# Altium PCB MB1635.PcbDoc (part 8 of 10)
Units mm, origin at the board's own origin, x right, y up, seen from the top; angles counter-clockwise.
Board outline 127 x 97 mm, 6 copper layers (Top Layer, Signal Layer 1, Signal Layer 2, Signal Layer 3, Signal Layer 4, Bottom Layer), stack 1.557 mm thick; 593 components, 478 nets, 2435 pads, 1743 vias.
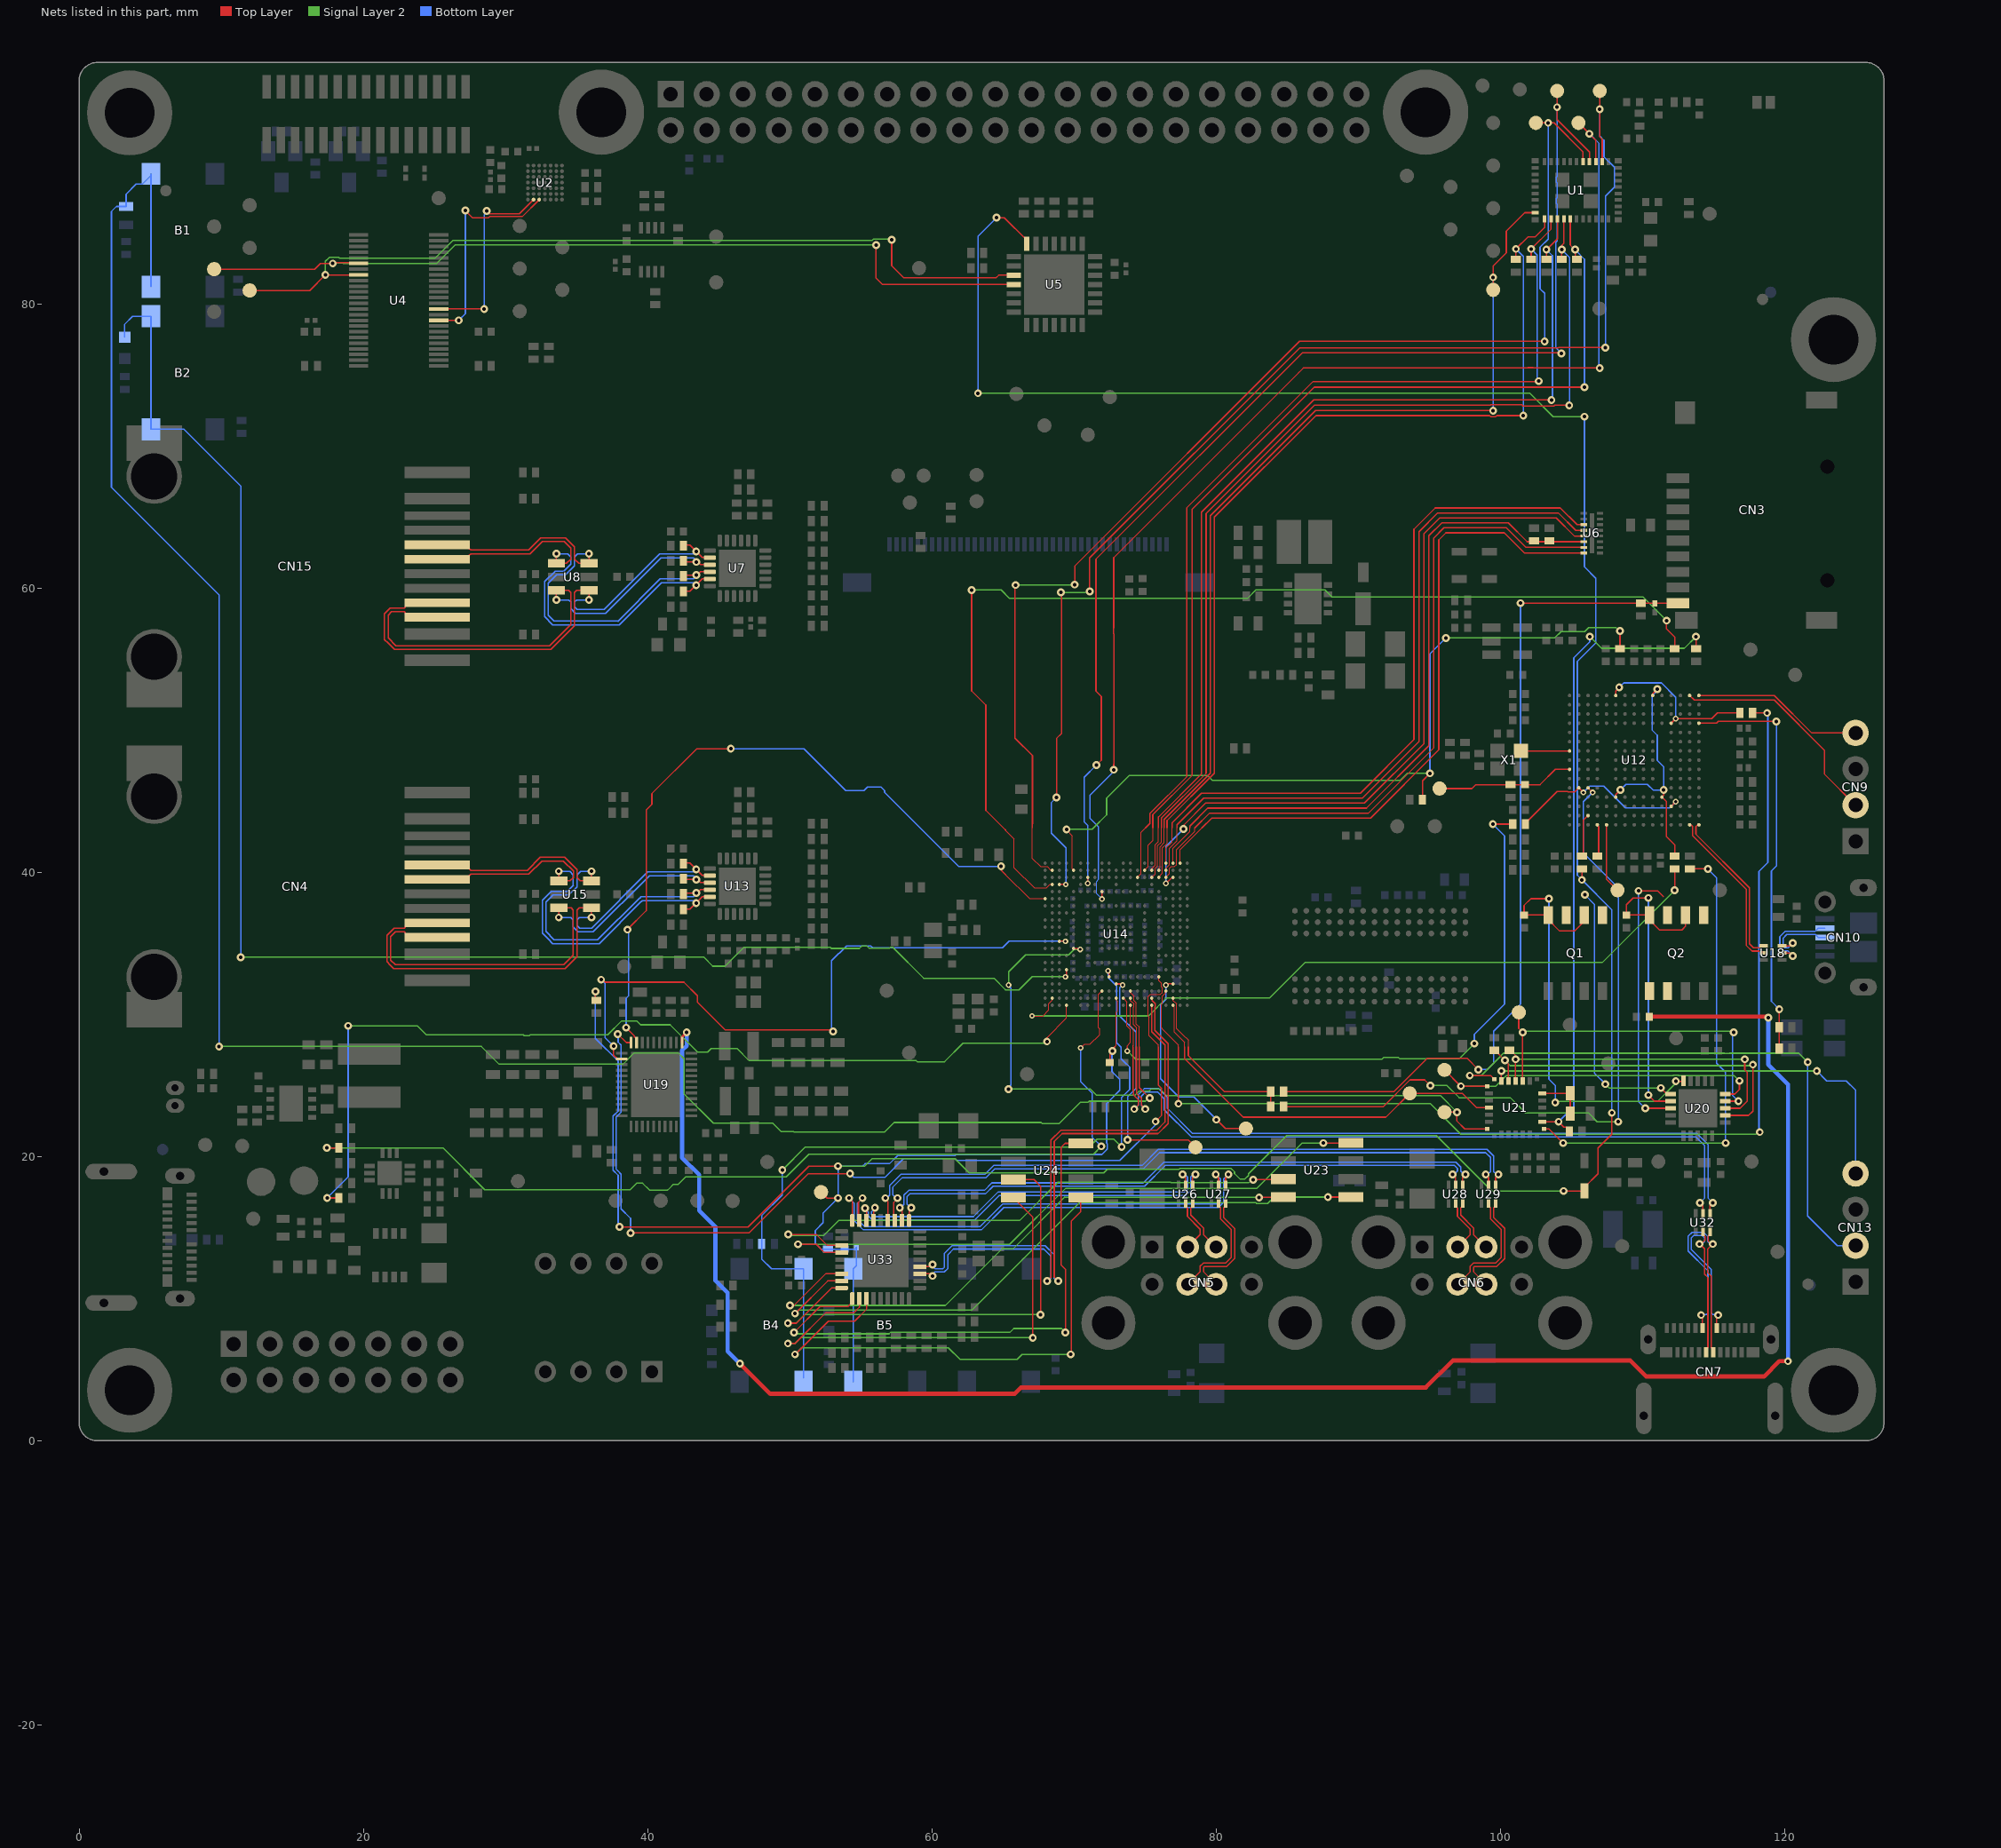
[diagram p12: the nets of this part, all layers, seen from the top]

## Via types
v1: diameter 0.55, hole 0.25, Top Layer to Bottom Layer, 1438 vias
v2: diameter 0.4, hole 0.2, Top Layer to Bottom Layer, 276 vias
v3: diameter 0.26, hole 0.1, Top Layer to Signal Layer 1, tented both sides, 29 vias

## Nets (pads, with @x,y where several pads share a name; then routed paths per layer and width w, separated by ;. In a path a pad name is that pad's centre, name@x,y a point inside that pad or via, vN(x,y) a via of type N, cw(c..) or ccw(c..) an arc to the next point about the centre after c; other vN are vias at no path point) (continued)
NetU2_E7: U2.E7 U4.33 | length 15.3
  Top Layer w0.1: U4.33@25.3,78.85 v1(26.7,78.85) ; v1(27.175,86.575) 27.675,86.075 28.801,86.075 28.876,86.15 31.175,86.15 U2.E7@32.375,87.35
  Bottom Layer w0.1: v1(26.7,78.85) 27.175,79.325 v1(27.175,86.575)
NetU2_F7: U2.F7 U4.35 | length 14
  Top Layer w0.1: U4.35@25.3,79.65 25.304,79.654 v1(28.501,79.654) ; v1(28.675,86.55) 28.875,86.35 30.975,86.35 U2.F7@31.975,87.35
  Bottom Layer w0.1: v1(28.501,79.654) 28.501,85.876 28.501,86.266 28.675,86.44 v1(28.675,86.55)
NetU12_G1: U12.G1 X1.3 | length 3.4
  Top Layer w0.1: X1.3@101.45,48.55 U12.G1@104.875,48.55
notOC1: U23.8 U33.13 | length 45.2
  Top Layer w0.1: v1(50.575,13.825) 51.875,13.825 52.45,13.25 U33.13@53.65,13.25 ; v1(87.55,20.95) 89.47,20.95 U23.8@89.475,20.955
  Signal Layer 2 w0.1: v1(50.575,13.825) 65.475,13.825 69.4,17.75 82.85,17.75 86.05,20.95 v1(87.55,20.95)
notOC2: U23.5 U33.17 | length 46.8
  Top Layer w0.1: v1(50.375,8.95) 52.675,11.25 U33.17@53.65,11.25 ; v1(87.875,17.15) 89.47,17.15 U23.5@89.475,17.145
  Signal Layer 2 w0.1: v1(50.375,8.95) 50.625,9.2 62.825,9.2 70.375,16.75 82.804,16.75 82.853,16.701 83.626,16.701 84.075,17.15 v1(87.875,17.15)
notOC3: U24.8 U33.19 | length 39.3
  Top Layer w0.1: v1(50.3,7.625) 52.125,9.45 54.1,9.45 54.4,9.75 U33.19@54.4,10 ; v1(69.4,7.625) 69.4,12.075 69.1,12.375 69.1,20.65 69.38,20.93 U24.8@70.475,20.93
  Signal Layer 2 w0.1: v1(50.3,7.625) 50.386,7.539 50.57,7.539 50.584,7.525 56.987,7.525 57.087,7.625 65.492,7.625 65.767,7.9 69.125,7.9 v1(69.4,7.625)
notOC4: U24.5 U33.21 | length 38.5
  Top Layer w0.1: v1(50.375,6.075) 52.725,8.425 54.575,8.425 55.4,9.25 U33.21@55.4,10 ; v1(69.775,6.075) 69.825,6.125 69.825,15.475 70.475,16.125 U24.5@70.475,17.12
  Signal Layer 2 w0.1: v1(50.375,6.075) 50.85,6.55 61.166,6.55 61.991,5.725 65.997,5.725 66.347,6.075 v1(69.775,6.075)
NRST: B5.1 B5.2 C118.1 C223.2 D4.2 R88.2 R114.1 R180.1 TP29.1 U5.14 U14.Y11 U37.1 | length 261.7
  Top Layer w0.075: 72.875,27.725 72.982,27.832 72.982,30.151 73.059,30.229 73.059,30.923 72.999,30.983 72.999,31.126 U14.Y11@72.975,31.15
  Top Layer w0.1: v1(36.325,31.625) 36.325,31.075 R114.1@36.4,31 ; v1(38.025,15.05) 47.075,15.05 51.35,19.325 v1(53.4,19.325) ; TP29.1@52.2,17.5 52.625,17.075 v1(53.4,17.075) ; v1(64.55,86.075) 65.1,86.075 66.675,84.5 U5.14@66.675,84.225 ; C118.1@72.525,26.625 72.525,27.325 72.626,27.426 v1(72.703,27.426) ; v1@72.675,27.525 72.875,27.725 ; v1(104.45,17.575) 105.92,17.575 105.92,17.845 106.875,18.8 106.875,20.6 107.85,21.575 v1(107.85,23.075) ; v1(105.75,39.475) R88.2@105.75,40.25
  Signal Layer 2 w0.1: v1(53.4,19.325) 55.275,19.325 55.8,19.85 61.625,19.85 62.625,18.85 72.1,18.85 72.35,19.1 77.399,19.1 77.474,19.175 81.051,19.175 81.3,18.926 81.3,18.804 81.678,18.426 82.03,18.426 82.279,18.675 82.279,18.784 84.97,21.475 95.5,21.475 99.4,17.575 v1(104.45,17.575) ; v1(63.25,73.725) 102.075,73.725 103.725,72.075 v1(105.925,72.075)
  Bottom Layer w0.1: v1(36.325,31.625) 36.325,28.325 37.925,26.725 37.925,23.2 ; 37.925,23.75 37.925,23.2 ; v1(38.025,15.05) 37.939,15.136 37.939,15.32 37.925,15.334 37.925,18.685 37.575,19.035 37.575,22.85 37.925,23.2 ; B5.2@54.475,4.15 B5.1@54.475,12.1 54.692,12.317 U37.1@54.692,13.602 ; U37.1@54.692,13.625 U37.1@54.692,13.602 ; v1(63.25,73.725) 63.25,84.775 v1(64.55,86.075) ; v1@72.675,27.525 72.675,25.975 73.225,25.425 73.225,24.658 72.3,23.733 72.3,20.951 72.35,20.901 72.35,20.549 72.3,20.499 72.3,20.475 71.975,20.15 61.725,20.15 61.65,20.075 57.6,20.075 57.025,19.5 55.3,19.5 55.125,19.325 v1(53.4,19.325) v1(53.4,17.075) 52.349,16.024 52.349,15.349 51.8,14.8 51.8,13.9 52.213,13.487 R180.1@52.692,13.487 C223.2@53.867,13.487 54.577,13.487 U37.1@54.692,13.602 ; v1(105.925,72.075) 105.925,61.5 106.725,60.7 106.725,56.15 105.422,54.847 105.422,39.803 v1(105.75,39.475) 107.85,37.375 v1(107.85,23.075)
PA13: B2.1 B2.2 LD4.2 U14.T4 | length 113.2
  Top Layer w0.09: v2@69.475,32.725 U14.T4@69.475,33.15
  Signal Layer 2 w0.09: 65.175,31.75 65.2,31.725 66.125,31.725 67.05,32.65 v2(69.4,32.65)
  Signal Layer 2 w0.1: v1(11.375,34.025) 11.4,34.05 43.934,34.05 44.584,33.4 45.449,33.4 46.774,34.725 52.849,34.725 52.924,34.65 54.9,34.65 55.077,34.827 55.429,34.827 55.579,34.677 57.029,34.677 57.077,34.725 57.25,34.725 59.425,32.55 64.375,32.55 65.175,31.75
  Bottom Layer w0.1: LD4.2@3.205,77.663 3.205,78.58 3.763,79.138 B2.1@5.055,79.138 B2.2@5.055,71.188 7.372,71.188 11.375,67.185 v1(11.375,34.025)
PA14: B1.1 B1.2 LD3.2 U14.W13 | length 153.4
  Top Layer w0.075: U14.W13@73.975,31.65 73.998,31.627 73.998,31.502 74.225,31.275 74.225,30.987 74.39,30.822 74.39,29.335 74.595,29.13 74.595,27.725
  Top Layer w0.1: 74.595,27.725 74.595,27.269 74.595,24.855 v1(75.325,24.125)
  Signal Layer 2 w0.1: v1(9.85,27.75) 28.3,27.75 29.55,26.5 38.275,26.5 39.075,27.3 42.151,27.3 42.575,26.876 42.575,24.401 44.626,22.35 48.804,22.35 49.404,21.75 50.284,21.75 50.309,21.725 56.675,21.725 57.35,22.4 67.7,22.4 67.775,22.325 68.95,22.325 70.451,23.826 70.979,23.826 71.053,23.9 75.041,23.9 75.266,24.125 v1(75.325,24.125)
  Bottom Layer w0.1: B1.2@5.055,81.213 B1.1@5.055,89.038 ; B1.1@5.055,89.163 B1.1@5.055,89.038 ; v1(9.85,27.75) 9.85,59.525 2.275,67.1 2.275,86.517 2.621,86.863 LD3.2@3.305,86.863 3.305,87.73 4.013,88.438 4.455,88.438 B1.1@5.055,89.038
PF8_WKUP: U14.F1 U19.43 | length 52.5
  Top Layer w0.075: 65.175,39.85 66.875,38.15 U14.F1@67.975,38.15
  Top Layer w0.1: v1(38.487,29.075) 39.075,28.487 39.075,28.424 39.149,28.35 39.212,28.35 39.225,28.337 U19.43@39.225,28.025 ; v1(38.575,35.975) 39.9,37.3 39.9,44.383 40.3,44.783 40.3,45.55 43.452,48.702 v1(45.852,48.702) ; v1(64.875,40.425) 64.875,40.15 65.175,39.85
  Bottom Layer w0.1: v1(38.487,29.075) 38.487,31.137 38.65,31.3 38.65,35.9 v1(38.575,35.975) ; v1(45.852,48.702) 50.998,48.702 53.95,45.75 55.225,45.75 55.475,46 56.426,46 56.675,45.751 56.675,45.625 61.875,40.425 v1(64.875,40.425)
PH4: R188.2 R189.2 U14.Y19 | length 12.4
  Top Layer w0.075: U14.Y19@76.975,31.15 76.986,31.139 76.986,30.989 77.225,30.75 77.225,30.296 77.225,29.025 77.638,28.613 78.05,28.2 78.05,27.725
  Top Layer w0.1: 78.05,27.725 78.05,27.1 80.582,24.568 R188.2@83.85,24.568 R189.2@83.85,23.518
PMIC_WAKEUP: U14.M3 U19.2 | length 47.1
  Top Layer w0.09: v1(37.6,27.775) 37.6,27.145 37.87,26.875 U19.2@38.175,26.875 ; U14.M3@68.975,35.15 v2(69.4,35.15) v2@69.425,35.15
  Top Layer w0.1: v1(36.725,32.45) 36.834,32.45 37.009,32.275 42.551,32.275 43.5,31.326 43.5,30.875 45.45,28.925 52.925,28.925 v1(53.05,28.8)
  Bottom Layer w0.09: 52.95,33.725 52.95,33.775 53.997,34.822 55.703,34.822 55.843,34.682 64.985,34.682 65.175,34.872 65.453,35.15 v2(69.4,35.15)
  Bottom Layer w0.1: v1(36.725,32.45) 37,32.175 37,28.375 v1(37.6,27.775) ; 52.95,33.725 52.95,29.084 52.964,29.07 52.964,28.886 v1(53.05,28.8)
PRTPWR1: U23.3 U33.12 | length 40.6
  Top Layer w0.1: v1(49.9,14.525) 49.925,14.5 51.9,14.5 52.65,13.75 U33.12@53.65,13.75 ; v1(82.604,18.376) 84.666,18.376 84.715,18.425 U23.3@84.725,18.415
  Signal Layer 2 w0.1: v1(49.9,14.525) 49.975,14.45 52.4,14.45 53.45,15.5 66.175,15.5 68.875,18.2 76.778,18.2 76.803,18.176 82.326,18.176 82.526,18.376 v1(82.604,18.376)
PRTPWR2: U23.4 U33.16 | length 42.4
  Top Layer w0.1: v1(50.025,9.525) 50.3,9.525 52.525,11.75 U33.16@53.65,11.75 ; v1(83.029,17.126) 84.696,17.126 84.72,17.15 U23.4@84.725,17.145
  Signal Layer 2 w0.1: v1(50.025,9.525) 60.95,9.525 64.925,13.5 65.7,13.5 69.35,17.15 69.374,17.126 v1(83.029,17.126)
PRTPWR3: U24.3 U33.18 | length 34
  Top Layer w0.1: v1(49.875,8.275) 50.475,8.275 52.95,10.75 U33.18@53.65,10.75 ; U24.3@65.725,18.39 67.185,18.39 67.65,17.925 v1(67.65,8.875)
  Signal Layer 2 w0.1: v1(49.875,8.275) 50.425,8.275 51.025,8.875 v1(67.65,8.875)
PRTPWR4: U24.4 U33.20 | length 34.5
  Top Layer w0.1: v1(49.875,6.85) 50.375,6.85 52.525,9 54.5,9 54.9,9.4 U33.20@54.9,10 ; U24.4@65.725,17.12 67.1,15.745 v1(67.1,7.25)
  Signal Layer 2 w0.1: v1(49.875,6.85) 50.375,6.85 50.775,7.25 v1(67.1,7.25)
PWR_LP: TP61.1 U14.V19 | length 15
  Top Layer w0.09: v2@76.55,32.15 U14.V19@76.975,32.15
  Top Layer w0.1: v1(80.025,22.6) 80.65,21.975 TP61.1@82.1,21.975 TP61.1@82.475,21.975
  Bottom Layer w0.09: 76.1,27.725 76.1,30.7 76.475,31.075 v2(76.475,32.075)
  Bottom Layer w0.1: 76.1,27.725 76.1,25.47 77.379,24.191 78.434,24.191 v1(80.025,22.6)
PWR_NJTRST: TP63.1 U14.V11 | length 17.5
  Top Layer w0.1: U14.V11@72.975,32.15 v2@73.4,32.15 ; v1(73.775,21.175) 78.025,21.175 TP63.1@78.55,20.65 TP63.1@78.55,20.3
  Bottom Layer w0.09: v2(73.425,32.075) 73.225,31.875 73.225,29.9 74.375,28.75 74.375,27.725
  Bottom Layer w0.1: v1(73.775,21.175) 73.775,24.2 74.375,24.8 74.375,27.725
PWR_ON: U14.U17 U19.44 | length 68.4
  Top Layer w0.075: 75.95,27.725 75.95,27.85 75.284,28.516 75.284,29.816 75.221,29.879 75.221,31.246 75.378,31.403 76.076,31.403 76.225,31.552 76.225,31.856 76.144,31.938 76.144,32.206 75.974,32.376 U14.U17@75.974,32.65
  Top Layer w0.1: v1(37.9,28.625) 38.5,28.025 U19.44@38.825,28.025 ; v1(38.8,14.625) 47.125,14.625 51.3,18.8 v1(54.25,18.8) ; v1(75.75,22.475) 76.15,22.875 76.15,24.816 75.95,25.016 75.95,27.725
  Bottom Layer w0.1: v1(37.9,28.625) 37.925,28.6 37.925,28.051 38.125,27.851 38.125,23.4 ; 38.125,23.165 38.125,23.117 ; 38.125,23.579 38.125,23.4 ; v1(38.8,14.625) 38.8,15.65 38.125,16.325 38.125,18.768 37.891,19.002 37.775,19.118 37.775,22.767 38.125,23.117 ; v1(54.25,18.8) 54.5,18.55 56.7,18.55 58,19.85 61.625,19.85 61.75,19.725 73.225,19.725 75.75,22.25 v1(75.75,22.475) ; 38.125,23.117 38.125,23.4
PWR_ON_DB: C102.2 Q2.5 Q2.6 U19.35 | length 135.7
  Top Layer w0.2: U19.35@42.425,28.025 42.425,28.425 v1(42.75,28.75)
  Top Layer w0.3: v1(46.5,5.425) 48.625,3.3 65.825,3.3 66.275,3.75 94.763,3.75 96.663,5.65 107.16,5.65 109.15,5.65 110.275,4.525 118.55,4.525 119.625,5.6 v1(120.244,5.6) ; C102.2@110.475,29.85 118.707,29.85 118.782,29.775 v1(118.85,29.775)
  Bottom Layer w0.3: v1(42.75,28.75) 42.75,27.801 42.425,27.476 42.425,19.925 43.625,18.725 43.625,16.2 44.775,15.05 44.775,11.275 45.625,10.425 45.625,6.3 v1(46.5,5.425) ; v1(118.85,29.775) 118.85,26.475 120.244,25.081 v1(120.244,5.6)
RD1_N: CN4.8 R97.1 U13.22 U15.6 | length 34
  Top Layer w0.09: CN4.8@25.2,40.53 27.195,40.53 27.58,40.145 29.93,40.145 31.531,40.145 32.446,41.06 34.169,41.06 35.025,40.204 35.025,39.625 35.25,39.4 U15.6@36.05,39.4 v1(36.05,40.075) ; R97.1@42.525,38.475 42.6,38.55 v1(43.425,38.55) 43.5,38.55 43.725,38.775 U13.22@44.375,38.775
  Bottom Layer w0.09: v1(36.05,40.075) 35.275,40.075 35.025,39.825 35.025,39.218 35.035,39.208 35.035,38.992 34.443,38.4 33.339,38.4 32.864,37.925 32.85,37.925 32.85,35.839 33.425,35.264 33.425,35.25 36.486,35.25 39.444,38.208 39.458,38.208 39.531,38.281 43.231,38.281 43.425,38.475 v1(43.425,38.55)
RD1_P: CN4.7 R99.1 U13.23 U15.1 | length 34.1
  Top Layer w0.09: CN4.7@25.2,39.51 27.195,39.51 27.57,39.885 29.822,39.885 31.639,39.885 32.554,40.8 34.075,40.8 34.775,40.1 34.775,39.625 34.55,39.4 U15.1@33.75,39.4 v1(33.75,40.075) ; R99.1@42.525,37.4 42.975,37.4 v1(43.413,37.838) 43.85,38.275 U13.23@44.375,38.275
  Bottom Layer w0.09: v1(33.75,40.075) 34.525,40.075 34.765,39.835 34.765,39.11 34.775,39.1 34.335,38.66 33.231,38.66 32.756,38.185 32.742,38.185 32.59,38.033 32.59,35.731 33.165,35.156 33.165,35.142 33.317,34.99 36.594,34.99 39.552,37.948 39.566,37.948 39.639,38.021 43.229,38.021 v1(43.413,37.838)
RD2_N: CN15.8 R40.1 U7.22 U8.6 | length 33.5
  Top Layer w0.09: CN15.8@25.2,63.06 27.195,63.06 27.455,62.8 27.455,62.795 27.565,62.685 31.621,62.685 32.486,63.55 34.229,63.55 34.85,62.929 34.85,62.05 35.15,61.75 U8.6@35.875,61.75 v1(35.875,62.425) ; R40.1@42.525,60.85 42.6,60.925 v1(43.425,60.925) 43.5,60.925 43.725,61.15 U7.22@44.375,61.15
  Bottom Layer w0.09: v1(35.875,62.425) 35.075,62.425 34.86,62.21 34.86,61.581 34.385,61.106 34.385,61.092 34.233,60.94 33.61,60.94 33.6,60.95 33.01,60.36 33.01,58.11 33,58.1 33.415,57.685 37.89,57.685 37.9,57.675 40.881,60.656 43.231,60.656 43.425,60.85 v1(43.425,60.925)
RD2_P: CN15.7 R42.1 U7.23 U8.1 | length 33.6
  Top Layer w0.09: CN15.7@25.2,62.04 27.195,62.04 27.455,62.3 27.455,62.305 27.575,62.425 31.729,62.425 32.604,63.3 34.125,63.3 34.225,63.2 34.6,62.825 34.6,62.05 34.3,61.75 U8.1@33.575,61.75 v1(33.575,62.425) ; R42.1@42.525,59.775 42.975,59.775 v1(43.413,60.213) 43.85,60.65 U7.23@44.375,60.65
  Bottom Layer w0.09: v1(33.575,62.425) 34.375,62.425 34.6,62.2 34.6,61.689 34.125,61.214 34.125,61.2 33.718,61.2 33.708,61.21 33.492,61.21 32.75,60.468 32.75,58.218 32.74,58.208 32.74,57.992 33.307,57.425 37.782,57.425 37.792,57.415 38.008,57.415 40.989,60.396 43.229,60.396 v1(43.413,60.213)
SDMMC1_CK: R33.2 R34.1 U6.6 U14.A19 | length 48.9
  Top Layer w0.075: U14.A19@76.975,40.65 76.975,41.7 78.15,42.875 78.15,43.125
  Top Layer w0.1: 78.15,43.125 78.15,43.265 79.41,44.525 90.585,44.525 94.975,48.915 94.975,63.69 95.885,64.6 100.565,64.6 101.89,63.275 102.375,63.275 103.45,63.275 U6.6@105.875,63.275
SDMMC1_CMD: U6.5 U14.C19 | length 51.8
  Top Layer w0.09: v1(77.7,43.05) v1@77.7,43.125
  Top Layer w0.1: v2(76.475,39.225) 76.875,39.625 76.95,39.625 76.975,39.65 U14.C19@76.975,39.638 ; v1@77.7,43.125 77.7,43.31 79.265,44.875 90.275,44.875 ; U6.5@105.875,63.675 105.21,63.675 103.935,64.95 95.74,64.95 94.625,63.835 94.625,49.06 90.44,44.875 ; 90.275,44.875 90.44,44.875 ; 90.275,44.875 90.44,44.875
  Bottom Layer w0.09: v2(76.475,39.225) 76.475,41.825 v1(77.7,43.05)
SDMMC1_D0: U6.7 U14.C18 | length 49.8
  Top Layer w0.075: U14.C18@76.475,39.65 76.725,39.9 76.725,40.275 76.85,40.4 77.079,40.4 77.225,40.546 77.225,41.605 78.505,42.885 78.505,43.125
  Top Layer w0.1: 78.505,43.125 79.555,44.175 90.73,44.175 95.325,48.77 95.325,63.545 96.03,64.25 100.42,64.25 101.795,62.875 U6.7@105.875,62.875
SDMMC1_D1: U6.8 U14.A20 | length 47.8
  Top Layer w0.075: U14.A20@77.475,40.65 77.475,41.6 79,43.125
  Top Layer w0.1: 79,43.125 79.7,43.825 90.875,43.825 95.675,48.625 95.675,63.4 96.175,63.9 100.275,63.9 101.7,62.475 U6.8@105.875,62.475
SDMMC1_D2: U6.3 U14.A18 | length 50.3
  Top Layer w0.075: U14.A18@76.475,40.65 76.475,41.716 76.9,42.141 76.9,43.125
  Top Layer w0.1: 76.9,43.125 76.9,43.5 78.975,45.575 90.15,45.575 93.925,49.35 93.925,64.15 95.425,65.65 104.225,65.65 105.4,64.475 U6.3@105.875,64.475
SDMMC1_D3: U6.4 U14.B18 | length 50.4
  Top Layer w0.075: U14.B18@76.475,40.15 76.475,40.296 76.725,40.546 76.725,41.705 77.25,42.23 77.25,43.125
  Top Layer w0.1: 77.25,43.125 77.25,43.355 79.12,45.225 90.295,45.225 94.275,49.205 94.275,63.98 95.595,65.3 104.08,65.3 105.305,64.075 U6.4@105.875,64.075
SDMMC2_CK: TP27.1 U1.20 U14.B17 | length 65.9
  Top Layer w0.075: U14.B17@75.975,40.15 75.987,40.162 75.987,40.309 76.059,40.381 76.059,41.798 76.35,42.089 76.35,43.125
  Top Layer w0.1: 76.35,43.125 76.35,43.733 79.6,46.983 79.6,65.1 87,72.5 v1(99.5,72.5) ; TP27.1@99.5,81 v1(99.5,81.875) 99.5,82.675 100.425,83.6 100.425,85.125 101.725,86.425 U1.20@102.45,86.425
  Bottom Layer w0.1: v1(99.5,72.5) v1(99.5,81.875)
SDMMC2_CMD: R14.2 U1.22 U14.C17 | length 67.6
  Top Layer w0.075: U14.C17@75.975,39.65 75.975,39.678 76.228,39.931 76.228,40.311 76.228,41.728 76.55,42.05 76.55,42.35 76.55,43.125
  Top Layer w0.1: 76.55,43.125 76.55,43.65 79.875,46.975 79.875,65 87.025,72.15 99.249,72.15 99.324,72.075 99.676,72.075 99.751,72.15 v1(101.625,72.15) ; R14.2@101.1,83.15 v1(101.1,83.875) 101.95,84.725 102.45,84.725 103.125,85.4 U1.22@103.125,85.975
  Bottom Layer w0.1: v1(101.1,83.875) 101.625,83.35 v1(101.625,72.15)
SDMMC2_D0: R16.2 U1.24 U14.B16 | length 68.5
  Top Layer w0.075: U14.B16@75.475,40.15 75.498,40.173 75.498,40.298 75.721,40.521 75.721,41.521 75.721,41.938 75.95,42.167 75.95,43.125
  Top Layer w0.1: 75.95,43.125 75.95,43.9 78.975,46.925 78.975,65.35 86.875,73.25 v1(103.6,73.25) ; R16.2@103.25,83.15 v1(103.25,83.825) 104.025,84.6 U1.24@104.025,85.975
  Bottom Layer w0.1: v1(103.25,83.825) 103.675,83.4 103.675,73.325 v1(103.6,73.25)
SDMMC2_D1: R18.2 U1.26 U14.B15 | length 71
  Top Layer w0.075: U14.B15@74.975,40.15 75.225,40.4 75.225,41.025 75.225,41.92 75.557,42.252 75.557,43.118 75.55,43.125
  Top Layer w0.1: 75.55,43.125 75.55,44.066 78.325,46.841 78.325,65.575 86.9,74.15 v1(105.925,74.15) ; U1.26@104.925,85.975 104.925,84.15 105.25,83.825 v1(105.275,83.825) 105.275,83.275 R18.2@105.4,83.15
  Bottom Layer w0.1: v1(105.275,83.825) 105.275,83.8 105.925,83.15 v1(105.925,74.15)
SDMMC2_D2: R15.2 U1.23 U14.C14 | length 68.8
  Top Layer w0.075: U14.C14@74.475,39.65 74.725,39.9 74.725,42.817 75.038,43.13
  Top Layer w0.1: 75.038,43.13 75.35,43.442 75.35,44.149 77.95,46.749 77.95,65.675 86.825,74.55 102.675,74.55 v1(102.7,74.575) ; R15.2@102.175,83.15 v1(102.175,83.875) 103.575,85.275 U1.23@103.575,85.975
  Bottom Layer w0.1: v1(102.175,83.875) 102.6,83.45 102.6,74.797 102.7,74.697 v1(102.7,74.575)
SDMMC2_D3: R17.2 U1.25 U14.C16 | length 70.1
  Top Layer w0.075: U14.C16@75.475,39.65 75.721,39.896 75.721,40.282 75.89,40.451 75.89,41.69 75.89,41.868 76.15,42.128 76.15,43.125
  Top Layer w0.1: 76.15,43.125 76.15,43.816 79.3,46.966 79.3,65.25 86.925,72.875 99.274,72.875 99.324,72.925 101.5,72.925 101.6,72.825 103.776,72.825 103.826,72.875 v1(104.85,72.875) ; R17.2@104.325,83.15 v1(104.325,83.825) 104.325,84.125 104.475,84.275 U1.25@104.475,85.975
  Bottom Layer w0.1: v1(104.325,83.825) 104.875,83.275 104.875,72.9 v1(104.85,72.875)
SNK_GDCG: C87.1 Q2.2 Q2.4 U20.7 | length 23.8
  Top Layer w0.1: v1(110.425,24.325) 110.85,23.9 U20.7@111.975,23.9 ; v1(110.425,38.2) 109.35,38.2 108.875,37.725 C87.1@108.875,37 Q2.4@110.495,37 110.495,36.655 111.2,35.95 112.775,35.95 113.035,36.21 Q2.2@113.035,37
  Bottom Layer w0.1: v1(110.425,24.325) v1(110.425,38.2)
SNK_GDCS: Q2.1 Q2.3 U20.8 | length 19.2
  Top Layer w0.1: v1(109.725,38.7) 111.075,38.7 111.475,38.3 ; v1(110.2,23.4) U20.8@111.975,23.4
  Bottom Layer w0.1: v1(109.725,38.7) 109.725,23.875 v1(110.2,23.4)
SRC_GDCG: C86.1 Q1.2 Q1.4 U20.5 | length 32.5
  Top Layer w0.1: v1(103.425,38.15) 102.15,38.15 101.675,37.675 C86.1@101.675,37 Q1.4@103.37,37 103.37,36.68 104.175,35.875 105.225,35.875 105.91,36.56 Q1.2@105.91,37 ; v1(112.35,25.3) 112.875,25.3 U20.5@112.9,25.325
  Signal Layer 2 w0.1: v1(103.875,23.8) 103.95,23.875 111.05,23.875 112.212,25.037 112.212,25.04 112.35,25.178 v1(112.35,25.3)
  Bottom Layer w0.1: v1(103.425,38.15) 103.425,25.45 103.875,25 v1(103.875,23.8)